# Altium PCB PCB1.PcbDoc (part 1 of 3)
Units mm, origin at the board's own origin, x right, y up, seen from the top; angles counter-clockwise.
Board outline 129.78 x 54 mm, 4 copper layers (Top Layer, Mid-Layer 1, Mid-Layer 2, Bottom Layer), stack 0.202 mm thick; 119 components, 96 nets, 472 pads, 1341 vias.
Unrouted connection lines stored in the file: 18.
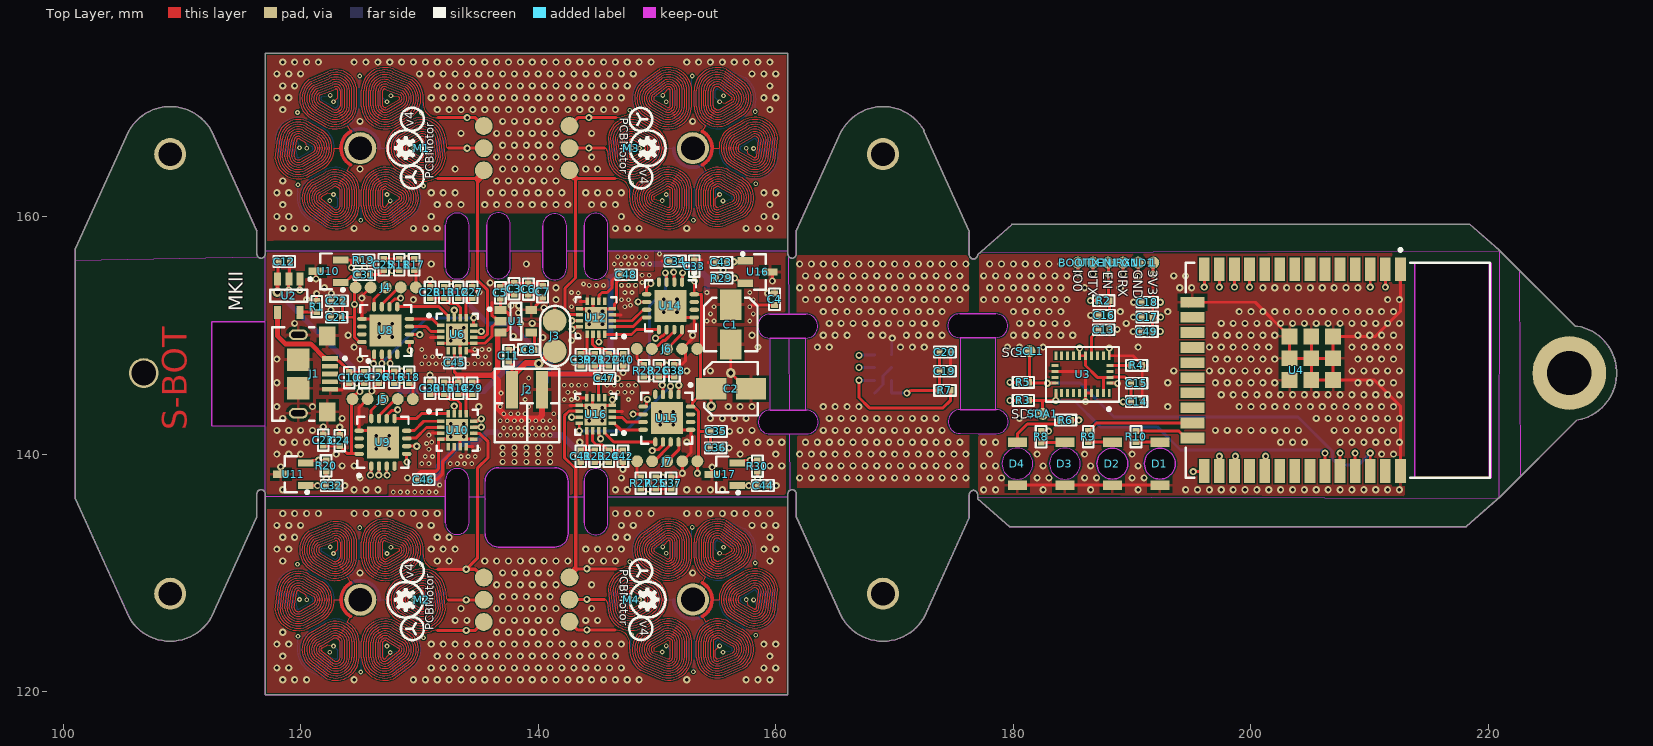
[diagram p0: Top Layer view]
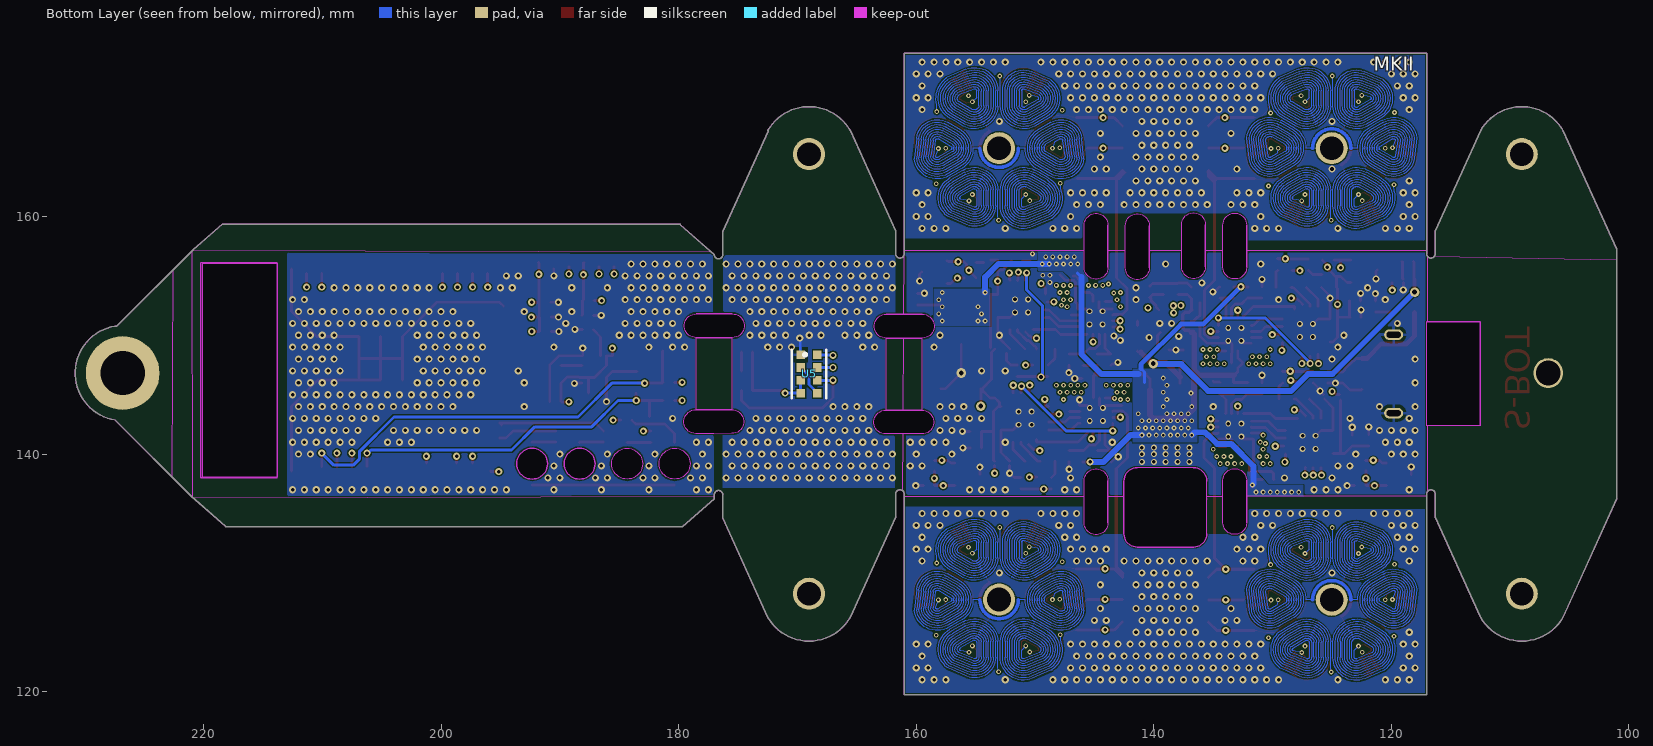
[diagram p1: Bottom Layer view, seen from below]
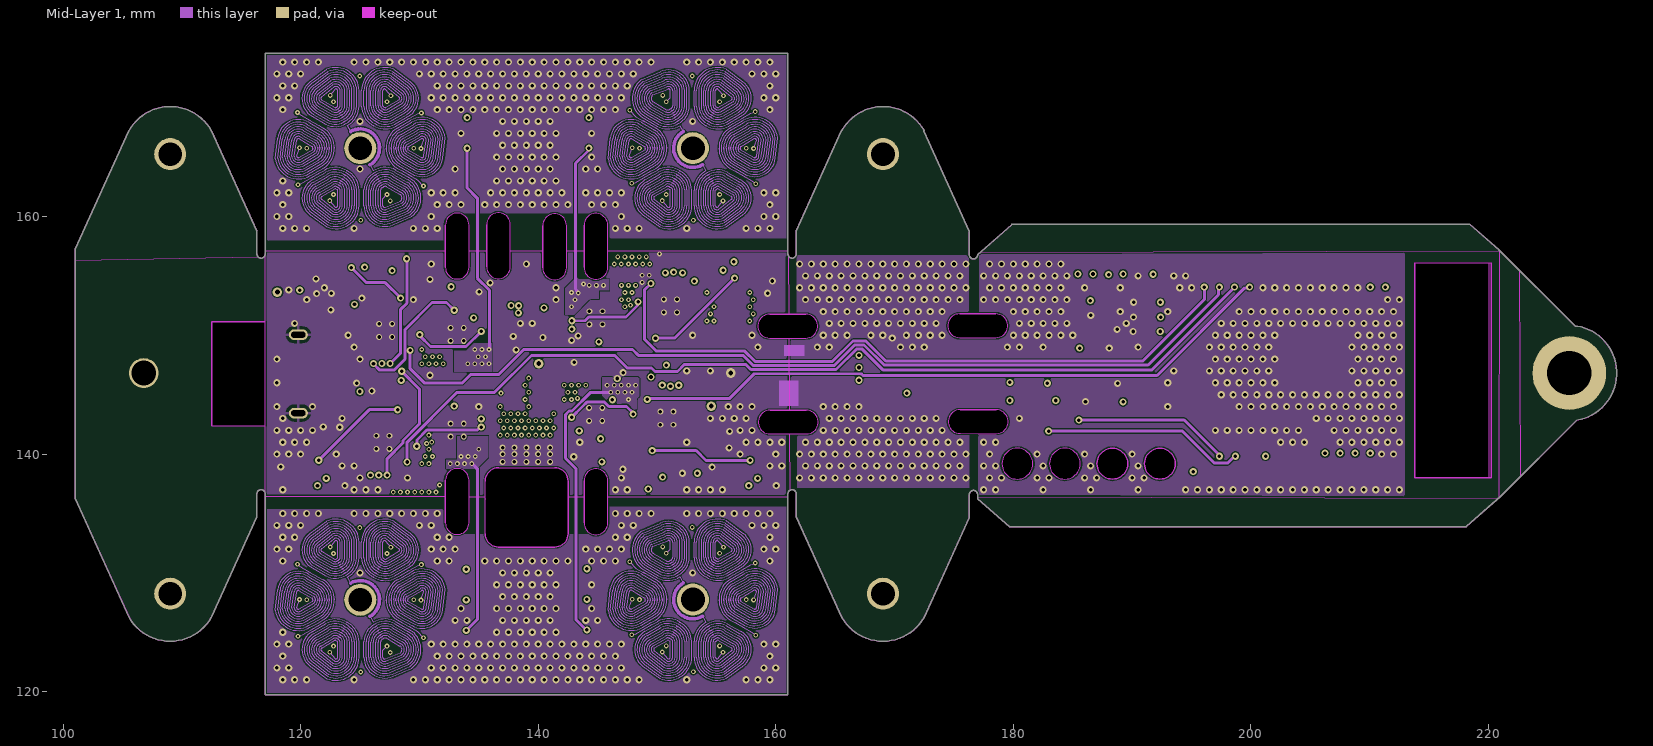
[diagram p2: Mid-Layer 1]
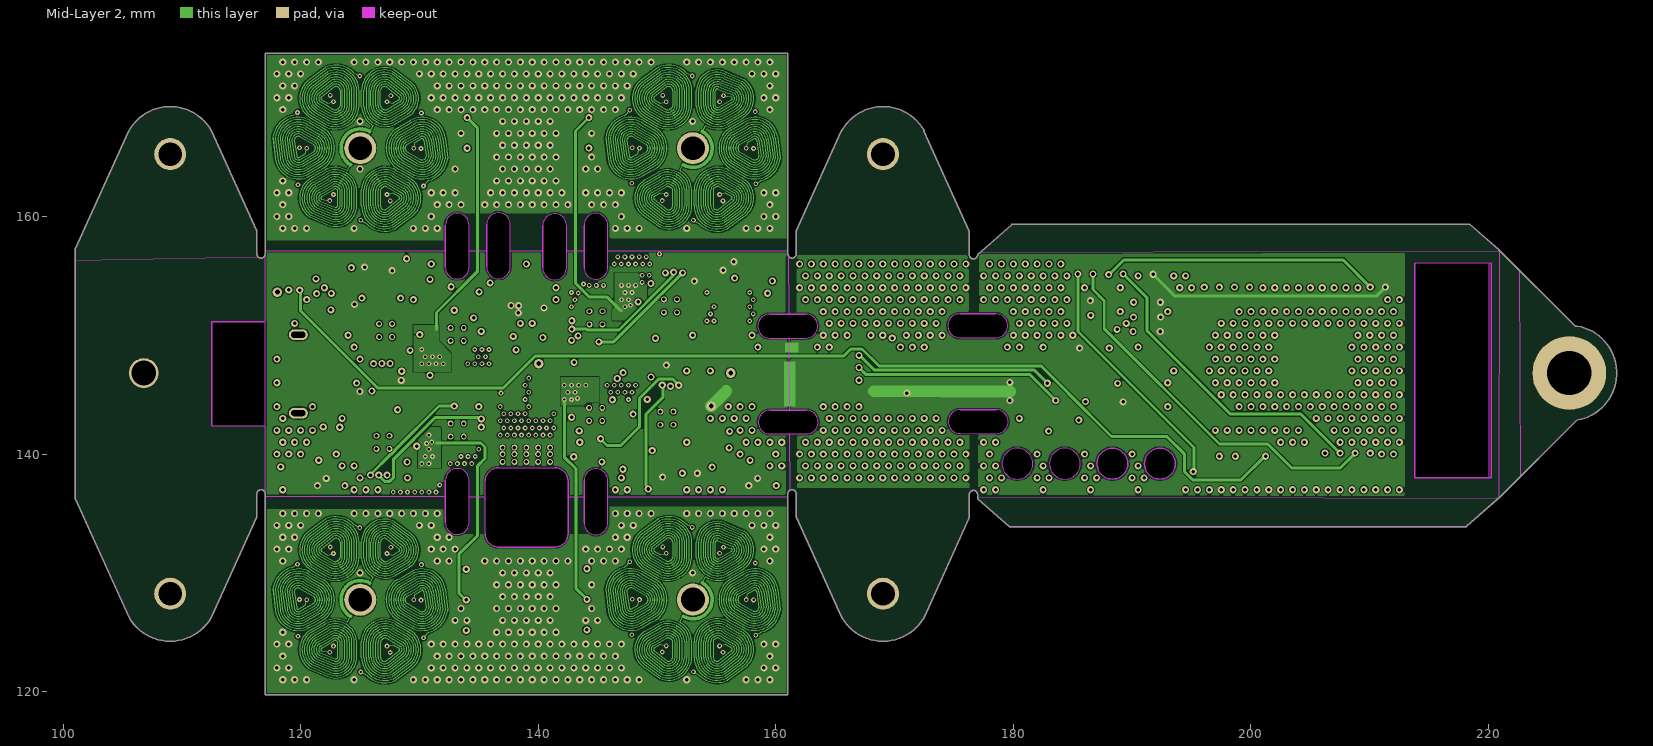
[diagram p3: Mid-Layer 2]

## Layer stack, top to bottom
Top Solder: solder mask 0.0102, Solder Resist, Dk 3.5
Top Layer: signal copper 0.0356
Dielectric 1: dielectric 0.02, FR-4, Dk 4.8
Mid-Layer 1: signal copper 0.0356
Dielectric3: dielectric 0.02, FR-4, Dk 4.8
Mid-Layer 2: signal copper 0.0356
Dielectric2: dielectric 0.02, FR-4, Dk 4.8
Bottom Layer: signal copper 0.0356
Bottom Solder: solder mask 0.0102, Solder Resist, Dk 3.5

## Board outline
105.558,126.249 ccw(c109.023,128.249) 112.487,126.249 112.521,126.312 116.323,134.704 116.323,136.652 cw(c116.673,136.652) 117.023,136.652 117.023,119.749 161.023,119.749 161.023,136.652 cw(c161.373,136.652) 161.723,136.652 161.723,134.706 165.558,126.249 ccw(c169.023,128.249) 172.487,126.249 176.288,134.642 176.288,136.59 cw(c176.638,136.59) 176.988,136.59 176.988,136.249 179.678,133.894 179.657,133.869 218.134,133.869 218.168,133.944 221.023,136.449 227.442,142.869 ccw(c226.798,146.821) 227.445,150.772 227.43,150.772 227.3,150.772 220.865,157.207 218.398,159.367 179.879,159.367 179.845,159.292 176.99,156.787 176.988,156.785 cw(c176.638,156.785) 176.288,156.785 176.288,158.73 172.452,167.187 172.487,167.249 ccw(c169.023,165.249) 165.558,167.249 165.524,167.187 161.723,158.795 161.723,156.847 cw(c161.373,156.847) 161.023,156.847 161.023,173.749 117.023,173.749 117.023,156.847 cw(c116.673,156.847) 116.323,156.847 116.323,158.793 112.487,167.249 ccw(c109.023,165.249) 105.558,167.249 105.524,167.187 101.023,157.249 101.023,136.249
cut-out: 143.859,155.715 ccw(c144.859,155.715) 145.859,155.715 145.861,157.239 145.862,159.263 ccw(c144.862,159.263) 143.862,159.263 143.861,157.239
cut-out: 135.531,133.304 135.531,136.203 cw(c135.658,136.203) 135.533,136.226 135.534,137.727 cw(c136.662,137.727) 136.662,138.854 141.39,138.854 cw(c141.39,137.727) 142.517,137.727 142.515,134.678 cw(c142.388,134.679) 142.514,134.662 142.514,133.304 cw(c141.387,133.304) 141.387,132.176 136.658,132.176 cw(c136.658,133.304)
cut-out: 140.388,155.679 ccw(c141.388,155.679) 142.388,155.679 142.389,157.203 142.39,159.227 ccw(c141.39,159.227) 140.39,159.227 140.389,157.203
cut-out: 135.655,155.772 ccw(c136.655,155.772) 137.655,155.772 137.656,157.296 137.658,159.32 137.657,159.32 ccw(c136.657,159.32) 135.657,159.32 135.658,159.32 135.656,157.296
cut-out: 132.184,155.736 ccw(c133.184,155.736) 134.184,155.736 134.185,157.26 134.186,159.284 ccw(c133.186,159.284) 132.186,159.284 132.185,157.26
cut-out: 143.859,134.215 ccw(c144.859,134.215) 145.859,134.215 145.86,136.239 145.861,137.763 ccw(c144.861,137.763) 143.861,137.763 143.86,136.239
cut-out: 132.184,134.236 ccw(c133.184,134.236) 134.184,134.236 134.185,136.26 134.186,137.784 ccw(c133.186,137.784) 132.186,137.784 132.185,136.26
cut-out: 162.535,151.766 161.011,151.767 159.487,151.768 ccw(c159.487,150.768) 159.487,149.768 161.011,149.767 162.535,149.766 ccw(c162.535,150.766)
cut-out: 162.571,143.694 161.047,143.695 159.523,143.696 ccw(c159.523,142.696) 159.523,141.696 161.047,141.695 162.571,141.694 ccw(c162.571,142.694)
cut-out: 175.474,149.804 176.998,149.803 178.522,149.802 ccw(c178.522,150.802) 178.522,151.802 176.998,151.803 175.474,151.804 ccw(c175.474,150.804)
cut-out: 175.51,141.733 177.034,141.732 178.558,141.731 ccw(c178.558,142.731) 178.558,143.731 177.034,143.732 175.51,143.733 ccw(c175.51,142.733)
cut-out: 192.333,137.892 cw(c192.333,139.192) 191.033,139.192 cw(c192.333,139.192) 192.333,140.492 cw(c192.333,139.192) 193.633,139.192 cw(c192.333,139.192)
cut-out: 185.633,139.192 ccw(c184.333,139.192) 184.333,140.492 ccw(c184.333,139.192) 183.033,139.192 ccw(c184.333,139.192) 184.333,137.892 ccw(c184.333,139.192)
cut-out: 188.333,137.892 cw(c188.333,139.192) 187.033,139.192 cw(c188.333,139.192) 188.333,140.492 cw(c188.333,139.192) 189.633,139.192 cw(c188.333,139.192)
cut-out: 179.033,139.192 ccw(c180.333,139.192) 180.333,137.892 ccw(c180.333,139.192) 181.633,139.192 ccw(c180.333,139.192) 180.333,140.492 ccw(c180.333,139.192)
cut-out: 112.522,142.367 117.023,142.367 117.023,151.132 112.522,151.132
cut-out: 213.772,138.016 213.772,156.116 220.222,156.116 220.222,138.016
board region "Layer Stack Region 1": 220.819,136.271 218.168,133.944 218.134,133.869 179.657,133.869 179.678,133.894 176.988,136.249 176.988,136.42
board region "Layer Stack Region 1": 222.598,155.474 227.3,150.772 227.43,150.772 227.445,150.772 227.724,150.727 228.263,150.558 228.773,150.315 229.245,150.003 229.667,149.628 230.033,149.197 230.335,148.72 230.566,148.204 230.723,147.661 230.802,147.102 230.802,146.537 230.722,145.977 230.565,145.435 230.333,144.919 230.031,144.442 229.665,144.011 229.242,143.637 228.771,143.325 228.26,143.083 227.721,142.914 227.442,142.869 222.688,138.115
board region "Layer Stack Region 1": 220.941,157.131 222.598,155.474 222.688,138.115 221.023,136.449 220.895,136.337
board region "Layer Stack Region 1": 177.223,156.991 179.845,159.292 179.879,159.367 218.398,159.367 220.865,157.207 220.941,157.131
board region "Layer Stack Region 1": 101.023,156.337 101.023,157.249 105.524,167.187 105.558,167.249 105.69,167.476 106.009,167.892 106.38,168.263 106.796,168.582 107.25,168.845 107.734,169.045 108.241,169.181 108.76,169.249 109.285,169.249 109.805,169.181 110.311,169.045 110.796,168.845 111.25,168.582 111.666,168.263 112.036,167.892 112.356,167.476 112.487,167.249 116.323,158.793 116.323,156.847 116.329,156.779 116.382,156.652 116.443,156.591
board region "Layer Stack Region 1": 161.035,156.766 161.082,156.652 161.178,156.556 161.304,156.504 161.441,156.504 161.567,156.556 161.664,156.652 161.716,156.779 161.723,156.847 161.723,158.795 165.524,167.187 165.558,167.249 165.69,167.476 166.009,167.892 166.38,168.263 166.796,168.582 167.25,168.845 167.734,169.045 168.241,169.181 168.76,169.249 169.285,169.249 169.805,169.181 170.311,169.045 170.796,168.845 171.25,168.582 171.666,168.263 172.036,167.892 172.356,167.476 172.487,167.249 172.452,167.187 176.288,158.73 176.288,156.785 176.295,156.716 176.347,156.59 176.443,156.494 176.57,156.441 176.706,156.441 176.832,156.494 176.929,156.59 176.981,156.716 176.988,156.785 177.223,156.991 220.941,157.131 220.895,136.338 220.819,136.271 176.988,136.42 176.988,136.59 176.981,136.658 176.929,136.784 176.832,136.881 176.706,136.933 176.57,136.933 176.443,136.881 176.347,136.784 176.295,136.658 176.288,136.59 176.288,134.642 172.487,126.249 172.356,126.022 172.036,125.606 171.666,125.236 171.25,124.916 170.796,124.654 170.311,124.454 169.805,124.318 169.285,124.249 168.76,124.249 168.241,124.318 167.734,124.454 167.25,124.654 166.796,124.916 166.38,125.236 166.009,125.606 165.69,126.022 165.558,126.249 161.723,134.706 161.723,136.652 161.716,136.72 161.664,136.846 161.567,136.943 161.441,136.995 161.304,136.995 161.191,136.948
board region "Layer Stack Region 1": 117.002,136.754 116.964,136.846 116.867,136.943 116.741,136.995 116.604,136.995 116.478,136.943 116.382,136.846 116.329,136.72 116.323,136.652 116.323,134.704 112.521,126.312 112.487,126.249 112.356,126.022 112.036,125.606 111.666,125.236 111.25,124.916 110.796,124.654 110.311,124.454 109.805,124.318 109.285,124.249 108.76,124.249 108.241,124.318 107.734,124.454 107.25,124.654 106.796,124.916 106.38,125.236 106.009,125.606 105.69,126.022 105.558,126.249 101.023,136.249 101.023,156.337 116.443,156.591 116.478,156.556 116.604,156.504 116.741,156.504 116.867,156.556 116.964,156.652 116.967,156.661
board region "Layer Stack Region 1": 161.023,136.398 161.023,119.749 117.023,119.749 117.023,136.449
board region "Layer Stack Region 1": 161.023,157.099 161.023,156.847 161.029,156.779 161.035,156.766 161.191,136.948 161.178,136.943 161.082,136.846 161.029,136.72 161.023,136.652 161.023,136.398 117.023,136.449 117.023,136.652 117.016,136.72 117.002,136.754 116.967,156.661 117.016,156.779 117.023,156.847 117.023,157.099
board region "Layer Stack Region 1": 117.023,157.099 117.023,173.749 161.023,173.749 161.023,157.099

## Design rules (kind name [scope] priority, off if disabled: settings)
Clearance [All] p1: gap=0.1 ignorepadtopadclearanceinfootprint=FALSE
DiffPairsRouting [All] p1: maxlimit=0.254 minlimit=0.254 mostfreqgap=0.254 toplayer_minwidth=0.381 toplayer_maxwidth=0.381 toplayer_prefwidth=0.381 midlayer1_minwidth=0.381 midlayer1_maxwidth=0.381 midlayer1_prefwidth=0.381 midlayer2_minwidth=0.381 midlayer2_maxwidth=0.381 midlayer2_prefwidth=0.381 bottomlayer_minwidth=0.381 bottomlayer_maxwidth=0.381 bottomlayer_prefwidth=0.381 substack1={F01CB33A-03C5-413C-B074-55E82BEF04D4} toplayer_{f01cb33a-03c5-413c-b074-55e82bef04d4}_minwidth=0.381 toplayer_{f01cb33a-03c5-413c-b074-55e82bef04d4}_maxwidth=0.381 toplayer_{f01cb33a-03c5-413c-b074-55e82bef04d4}_prefwidth=0.381 midlayer1_{f01cb33a-03c5-413c-b074-55e82bef04d4}_minwidth=0.381 midlayer1_{f01cb33a-03c5-413c-b074-55e82bef04d4}_maxwidth=0.381 midlayer1_{f01cb33a-03c5-413c-b074-55e82bef04d4}_prefwidth=0.381 midlayer2_{f01cb33a-03c5-413c-b074-55e82bef04d4}_minwidth=0.381 midlayer2_{f01cb33a-03c5-413c-b074-55e82bef04d4}_maxwidth=0.381 midlayer2_{f01cb33a-03c5-413c-b074-55e82bef04d4}_prefwidth=0.381 bottomlayer_{f01cb33a-03c5-413c-b074-55e82bef04d4}_minwidth=0.381 bottomlayer_{f01cb33a-03c5-413c-b074-55e82bef04d4}_maxwidth=0.381 bottomlayer_{f01cb33a-03c5-413c-b074-55e82bef04d4}_prefwidth=0.381 maxuncoupledlength=12.7
PasteMaskExpansion [All] p1: expansion=-0.1
PolygonConnect [IsVia] p1: connectstyle=Direct reliefconductorwidth=0.254 reliefentries=4 polygonreliefangle="90 Angle" airgapwidth=0.254
PolygonConnect PolygonConnect_1 [All] p2: connectstyle=Relief reliefconductorwidth=0.254 reliefentries=4 polygonreliefangle="90 Angle" airgapwidth=0.254
RoutingVias [All] p1: holewidth=0.711 width=1.27 viastyle="Through Hole" minholewidth=0.2 minwidth=0.4 maxholewidth=0.711 maxwidth=1.27
SolderMaskExpansion [All] p1: expansion=0 istentingtop=FALSE
Width [All] p1: maxlimit=1 minlimit=0.1 preferedwidth=0.25 substack1={F01CB33A-03C5-413C-B074-55E82BEF04D4}
28 further rules are at their usual default settings.

## Classes and differential pairs
component class Sheet2: C21 C22 C23 C24 C25 C26 C27 C28 C29 C30 C31 C32 C33 C34 C35 C36 C37 C38 C39 C40 C41 C42 C43 C44 C45 C46 C47 C48 J4 J5 J6 J7 M1 M2 M3 M4 R11 R12 R13 R14 R15 R16 R17 R18 R19 R20 R21 R22 R23 R24 R25 R26 R27 R28 R29 R30 U6 U8 U9 U10 U11 U12 U14 U15 U16 U17
component class Sheet1: 1 BOOT1 C1 C2 C3 C4 C5 C6 C7 C8 C9 C10 C11 C12 C13 C14 C15 C16 C17 C18 C19 C20 C49 D1 D2 D3 D4 EN1 GND1 J1 J2 J3 R1 R2 R3 R4 R5 R6 R7 R8 R9 R10 SCL1 SDA1 U1 U2 U3 U4 U5 URX1 UTX1

## Components (designator, comment, footprint, x,y, rotation, side; value= is the part's Value field where it differs from the comment)
1 "TESTPAD" TESTPAD 191.781,156.116 r90 top
BOOT1 "TESTPAD" TESTPAD 185.431,156.116 r90 top
C1 "22uF" CAPAE4343X55M 156.21,150.899 r270 top
C2 "22uF" CAPAE4343X55M 156.235,145.501 r0 top
C3 "4.7uF" RESC1005X03N 137.972,153.911 r90 top
C4 "100nF" RESC1005X03N 159.893,153.035 r90 top
C5 "10nF" RESC1005X03N 136.82,153.582 r90 top
C6 "100nF" RESC1005X03N 139.178,153.892 r90 top
C7 "10nF" RESC1005X03N 140.367,153.661 r90 top
C8 "100pF" RESC1005X03N 139.2,148.796 r180 top
C9 "4.7uF" RESC1005X03N 125.359,146.444 r270 top
C10 "100nF" RESC1005X03N 124.089,146.444 r270 top
C11 "100nF" RESC1005X03N 137.505,148.27 r90 top
C12 "4.7uF" RESC1005X03N 118.618,156.21 r0 top
C13 "100nF" RESC1005X03N 187.622,150.467 r180 top
C14 "100nF" RESC1005X03N 190.373,144.415 r0 top
C15 "10nF" RESC1005X03N 190.373,145.965 r0 top
C16 "1uF" RESC1005X03N 187.65,151.675 r180 top
C17 "100nF" RESC1005X03N 191.253,151.537 r180 top
C18 "10nF" RESC1005X03N 191.262,152.781 r180 top
C19 "100nF" RESC1005X03N 174.244,146.978 r0 top
C20 "4.7uF" RESC1005X03N 174.244,148.59 r0 top
C21 "100nF" RESC1005X03N 123.027,151.518 r180 top
C22 "10nF" RESC1005X03N 123.063,152.908 r180 top
C23 "100nF" RESC1005X03N 121.906,141.178 r90 top
C24 "10nF" RESC1005X03N 123.296,141.142 r90 top
C25 "100nF" RESC1005X03N 127,155.948 r270 top
C26 "100nF" RESC1005X03N 126.584,146.469 r270 top
C27 "10nF" RESC1005X03N 134.441,153.61 r90 top
C28 "10nF" RESC1005X03N 130.895,153.61 r90 top
C29 "10nF" RESC1005X03N 134.441,145.544 r90 top
C30 "10nF" RESC1005X03N 130.895,145.544 r90 top
C31 "10nF" RESC1005X03N 125.349,155.106 r0 top
C32 "10nF" RESC1005X03N 122.616,137.353 r0 top
C33 "10nF" RESC1005X03N 153.137,155.829 r90 top
C34 "100nF" RESC1005X03N 151.523,156.244 r180 top
C35 "100nF" RESC1005X03N 154.997,141.908 r0 top
C36 "10nF" RESC1005X03N 154.961,140.518 r0 top
C37 "100nF" RESC1005X03N 151.187,137.563 r90 top
C38 "100nF" RESC1005X03N 151.462,147.02 r90 top
C39 "10nF" RESC1005X03N 143.604,147.944 r270 top
C40 "10nF" RESC1005X03N 147.15,147.944 r270 top
C41 "10nF" RESC1005X03N 143.583,139.816 r270 top
C42 "10nF" RESC1005X03N 147.129,139.816 r270 top
C43 "10nF" RESC1005X03N 155.429,156.136 r180 top
C44 "10nF" RESC1005X03N 158.925,137.343 r0 top
C45 "100nF" RESC1005X03N 132.994,147.678 r0 top
C46 "10nF" RESC1005X03N 130.357,137.85 r180 top
C47 "100nF" RESC1005X03N 145.591,146.364 r0 top
C48 "10nF" RESC1005X03N 147.401,155.101 r0 top
C49 "4.7uF" RESC1005X03N 191.248,150.317 r180 top
D1 "156120VS75000" "1206  RECTANGULAR-REVERSE USE" 192.333,139.192 r90 top
D2 "156120VS75000" "1206  RECTANGULAR-REVERSE USE" 188.333,139.192 r90 top
D3 "156120VS75000" "1206  RECTANGULAR-REVERSE USE" 184.333,139.192 r90 top
D4 "156120VS75000" "1206  RECTANGULAR-REVERSE USE" 180.333,139.192 r90 top
EN1 "TESTPAD" TESTPAD 187.971,156.116 r90 top
GND1 "TESTPAD" TESTPAD 190.511,156.116 r90 top
J1 "10118193-0001LF" FCI-10118193-0001LF-5_V 121.158,146.749 r270 top
J2 "H2P2.54" M20-8890245R 139.682,147.722 r180 top
J3 "H2P2.54" T2P2.54 141.388,149.943 r270 top
J4 "H5P1.27" H5P1.27P 127.162,154.029 r180 top
J5 "H5P1.27" H5P1.27P 126.909,144.635 r180 top
J6 "H5P1.27" H5P1.27P 150.842,148.854 r0 top
J7 "H5P1.27" H5P1.27P 150.862,139.397 r0 top
M1 "PCBMotor_v4" PCBMotor_v4#1 125.023,165.767 r90 top
M2 "PCBMotor_v4" PCBMotor_v4#2 125.023,127.749 r90 top
M3 "PCBMotor_v4" PCBMotor_v4#3 153.023,165.739 r270 top
M4 "PCBMotor_v4" PCBMotor_v4#4 153.023,127.736 r270 top
R1 "5k" RESC1005X03N 121.353,152.423 r270 top
R2 "10k" RESC1005X03N 187.599,152.918 r180 top
R3 "5k" RESC1005X03N 180.85,144.513 r0 top
R4 "0" RESC1005X03N 190.373,147.465 r180 top
R5 "5k" RESC1005X03N 180.85,146.037 r180 top
R6 "150" RESC1005X03N 184.397,142.863 r0 top
R7 "10k" RESC1005X03N 174.244,145.365 r180 top
R8 "150" RESC1005X03N 182.33,141.454 r90 top
R9 "150" RESC1005X03N 186.309,141.478 r90 top
R10 "150" RESC1005X03N 190.323,141.476 r90 top
R11 "10k" RESC1005X03N 128.3,155.948 r270 top
R12 "10k" RESC1005X03N 133.274,153.61 r90 top
R13 "10k" RESC1005X03N 132.088,153.61 r90 top
R14 "10k" RESC1005X03N 133.274,145.544 r90 top
R15 "10k" RESC1005X03N 132.088,145.544 r90 top
R16 "10k" RESC1005X03N 127.884,146.469 r270 top
R17 "150" RESC1005X03N 129.559,155.948 r270 top
R18 "150" RESC1005X03N 129.142,146.469 r270 top
R19 "10k" RESC1005X03N 125.323,156.338 r0 top
R20 "10k" RESC1005X03N 122.141,139.003 r270 top
R21 "10k" RESC1005X03N 144.771,147.944 r270 top
R22 "10k" RESC1005X03N 145.958,147.944 r270 top
R23 "10k" RESC1005X03N 144.75,139.816 r270 top
R24 "10k" RESC1005X03N 145.936,139.816 r270 top
R25 "10k" RESC1005X03N 149.887,137.563 r90 top
R26 "10k" RESC1005X03N 150.162,147.02 r90 top
R27 "150" RESC1005X03N 148.628,137.563 r90 top
R28 "150" RESC1005X03N 148.903,147.02 r90 top
R29 "10k" RESC1005X03N 155.448,154.813 r180 top
R30 "10k" RESC1005X03N 158.45,138.993 r270 top
SCL1 "TESTPAD" TESTPAD 181.361,148.665 r90 top
SDA1 "TESTPAD" TESTPAD 182.481,143.38 r90 top
U1 "'AP2210K-3.3TRG1" SOT95P282X145-5N 138.12,151.181 r0 top
U2 "MCP73831T-2ATI/OT" SOT95P270X145-5N 119.01,153.321 r270 top
U3 "BNO085" FP-BNO085-MFG 185.82,146.715 r270 top
U4 "ESP32-WROOM-32" FP-ESP32-WROOM-32-MFG 207.322,147.066 r270 top
U5 "VCNL4040M3OE" FP-VCNL4040M3OE-MFG 169.023,146.749 r0 bottom
U6 "STSPIN230" QFN50P300X300X100_HS-17N 133.183,150.08 r0 top
U8 "PIC16LF18323-I/JQ" PIC16F18323-I/JQ 127.162,150.405 r90 top
U9 "PIC16LF18323-I/JQ" PIC16F18323-I/JQ 126.928,140.991 r90 top
U10 "STSPIN230" QFN50P300X300X100_HS-17N 133.183,142.014 r0 top
U10 "DRV5015A3QDBZR" SOT95P237X95-3N 122.346,155.388 r180 top
U11 "DRV5015A3QDBZR" SOT95P237X95-3N 119.38,138.303 r180 top
U12 "STSPIN230" QFN50P300X300X100_HS-17N 144.862,151.474 r180 top
U14 "PIC16LF18323-I/JQ" PIC16F18323-I/JQ 151.137,152.478 r270 top
U15 "PIC16LF18323-I/JQ" PIC16F18323-I/JQ 150.83,143.021 r270 top
U16 "STSPIN230" QFN50P300X300X100_HS-17N 144.841,143.346 r180 top
U16 "DRV5015A3QDBZR" SOT95P237X95-3N 158.463,155.328 r0 top
U17 "DRV5015A3QDBZR" SOT95P237X95-3N 155.689,138.293 r180 top
URX1 "TESTPAD" TESTPAD 189.241,156.116 r90 top
UTX1 "TESTPAD" TESTPAD 186.701,156.116 r90 top

## Footprints (in the part's own frame and the unit in brackets; to place one, negate y for a bottom-side part, rotate by r counter-clockwise, add the part's x,y. Pads: shape width x height; smd on the part's side, far side on the other; paste and mask are expansions set on the pad)
"1206  RECTANGULAR-REVERSE USE" [mm] "Chip LED, 2-Leads, Body 3.2x1.6mm, IPC Medium Density"
  rect 0.8x1.6 smd: 1(-1.8,0) 2(1.8,0)
  body extent -1.6,-0.8 1.6,0.8, height 0.38
CAPAE4343X55M [mm] "Aluminum Electrolytic Capacitor, Body 4.30x4.30x5.50mm, IPC Low Density"
  rect 2.55x1.8 smd: 1(-1.675,0) 2(1.675,0)
  silkscreen extent -2.25,-2.25 2.25,2.25, body extent -2.25,-2.25 2.25,2.25, height 5.5
FCI-10118193-0001LF-5_V [mm] "Micro, USB-B, 5-Leads, Body 7.86x5.05mm, Pitch 0.65 mm"
  rect 0.4x1.35 smd: 1(-1.3,1.325) 2(-0.65,1.325) 3(0,1.325) 4(0.65,1.325) 5(1.3,1.325)
  rect 1.6x1.4 smd: 6(-3.2,1.1) 7(3.2,1.1)
  rect 1.9x1.9 smd: 8(-1.2,-1.35) 9(1.2,-1.35)
  oval 0.9x1.6 hole 0.5 slot 1.2 at 90 deg: 10(-3.3,-1.35) 11(3.3,-1.35)
  silkscreen extent -3.93,-3.55 3.93,2.7, body extent -3.93,-4.16 3.93,1.5, height 2.83
FP-BNO085-MFG [mm]
  rect 0.675x0.25 smd paste+0 mask+0: 1(1.562,2.25) 6(-1.562,2.25) 7(-1.562,1.75) 8(-1.562,1.25) 9(-1.562,0.75) 10(-1.562,0.25) 11(-1.562,-0.25) 12(-1.562,-0.75) 13(-1.562,-1.25) 14(-1.562,-1.75) 15(-1.562,-2.25) 20(1.562,-2.25) 21(1.562,-1.75) 22(1.562,-1.25) 23(1.562,-0.75) 24(1.562,-0.25) 25(1.562,0.25) 26(1.562,0.75) 27(1.562,1.25) 28(1.562,1.75)
  rect 0.25x0.575 smd paste+0 mask+0: 2(0.75,2.312) 3(0.25,2.312) 4(-0.25,2.312) 5(-0.75,2.312) 16(-0.75,-2.312) 17(-0.25,-2.312) 18(0.25,-2.312) 19(0.75,-2.312)
  silkscreen extent -2.3,-3.08 3.05,3.08, body extent -2.45,-3.15 2.45,3.15, height 0.25
FP-ESP32-WROOM-32-MFG [mm]
  rect 2x0.9 smd paste+0 mask+0: 1(-8.5,5.26) 2(-8.5,3.99) 3(-8.5,2.72) 4(-8.5,1.45) 5(-8.5,0.18) 6(-8.5,-1.09) 7(-8.5,-2.36) 8(-8.5,-3.63) 9(-8.5,-4.9) 10(-8.5,-6.17) 11(-8.5,-7.44) 12(-8.5,-8.71) 13(-8.5,-9.98) 14(-8.5,-11.25) 25(8.5,-11.25) 26(8.5,-9.98) 27(8.5,-8.71) 28(8.5,-7.44) 29(8.5,-6.17) 30(8.5,-4.9) 31(8.5,-3.63) 32(8.5,-2.36) 33(8.5,-1.09) 34(8.5,0.18) 35(8.5,1.45) 36(8.5,2.72) 37(8.5,3.99) 38(8.5,5.26)
  rect 0.9x2 smd paste+0 mask+0: 15(-5.715,-12.25) 16(-4.445,-12.25) 17(-3.175,-12.25) 18(-1.905,-12.25) 19(-0.635,-12.25) 20(0.635,-12.25) 21(1.905,-12.25) 22(3.175,-12.25) 23(4.445,-12.25) 24(5.715,-12.25)
  rect 1.33x1.33 smd paste+0 mask+0: 39(-2.835,-0.405) 39(-2.835,-2.24) 39(-2.835,-4.075) 39(-1,-0.405) 39(-1,-2.24) 39(-1,-4.075) 39(0.835,-0.405) 39(0.835,-2.24) 39(0.835,-4.075)
  Keep-Out Layer region: -9,6.45 9,6.45 9,12.75 -9,12.75
  Keep-Out Layer region: -9,6.45 9,6.45 9,12.75 -9,12.75
  silkscreen extent -10.25,-12.8 9.05,12.8, body extent -9.6,-13.35 9.6,12.9, height 0.25
FP-VCNL4040M3OE-MFG [mm]
  rect 0.7x0.725 smd paste+0 mask+0: 1(0.7,-1.612) 2(0.7,-0.537) 3(0.7,0.538) 4(0.7,1.613) 5(-0.7,1.613) 6(-0.7,0.537) 7(-0.7,-0.537) 8(-0.7,-1.613)
  silkscreen extent -1.45,-2.05 1.45,2.05, body extent -1,-2 1,2, height 1.15
H5P1.27P [mm]
  round 1 smd: 1(-2.54,0) 2(-1.27,0) 3(0,0) 4(1.27,0) 5(2.54,0)
M20-8890245R [mm]
  rect 1.02x3.17 smd: 1(-0.653,2.307) 2(1.887,2.307)
  silkscreen extent -2.08,0.54 3.35,6.72, body extent -1.92,0.84 3.16,12.34, height 2.5
PCBMotor_v4#1 [mm]
  round 1.5 smd: 1(-1.884,-10.39) 2(-0.014,-10.39) 3(1.856,-10.39)
  round 2.7 hole 2: ""(-0.014,0)
  Top Layer drawing of 1443 lines, arcs and shapes, not listed
  Mid-Layer 1 drawing of 1461 lines, arcs and shapes, not listed
  Mid-Layer 2 drawing of 1453 lines, arcs and shapes, not listed
  Bottom Layer drawing of 1407 lines, arcs and shapes, not listed
  silkscreen extent -3.41,-5.36 3.38,-2.3
PCBMotor_v4#2 [mm]
  round 1.5 smd: 1(-1.884,-10.39) 2(-0.014,-10.39) 3(1.856,-10.39)
  round 2.7 hole 2: ""(-0.014,0)
  Top Layer drawing of 890 lines, arcs and shapes, not listed
  Mid-Layer 1 drawing of 900 lines, arcs and shapes, not listed
  Mid-Layer 2 drawing of 862 lines, arcs and shapes, not listed
  Bottom Layer drawing of 887 lines, arcs and shapes, not listed
  silkscreen extent -3.41,-5.36 3.38,-2.3
PCBMotor_v4#3 [mm]
  round 1.5 smd: 1(-1.884,-10.39) 2(-0.014,-10.39) 3(1.856,-10.39)
  round 2.7 hole 2: ""(-0.014,0)
  Top Layer drawing of 1332 lines, arcs and shapes, not listed
  Mid-Layer 1 drawing of 1349 lines, arcs and shapes, not listed
  Mid-Layer 2 drawing of 1335 lines, arcs and shapes, not listed
  Bottom Layer drawing of 1303 lines, arcs and shapes, not listed
  silkscreen extent -3.41,-5.36 3.38,-2.3
PCBMotor_v4#4 [mm]
  round 1.5 smd: 1(-1.884,-10.39) 2(-0.014,-10.39) 3(1.856,-10.39)
  round 2.7 hole 2: ""(-0.014,0)
  Top Layer drawing of 775 lines, arcs and shapes, not listed
  Mid-Layer 1 drawing of 783 lines, arcs and shapes, not listed
  Mid-Layer 2 drawing of 743 lines, arcs and shapes, not listed
  Bottom Layer drawing of 781 lines, arcs and shapes, not listed
  silkscreen extent -3.41,-5.36 3.38,-2.3
PIC16F18323-I/JQ [mm] "QFN, 16-Leads, Body 4.00x4.00mm, Pitch 0.65mm, Thermal Pad 2.70x2.70mm, IPC Medium Density"
  oval 0.8x0.35 smd: 1(-2,0.975) 2(-2,0.325) 3(-2,-0.325) 4(-2,-0.975) 9(2,-0.975) 10(2,-0.325) 11(2,0.325) 12(2,0.975)
  oval 0.35x0.8 smd: 5(-0.975,-2) 6(-0.325,-2) 7(0.325,-2) 8(0.975,-2) 13(0.975,2) 14(0.325,2) 15(-0.325,2) 16(-0.975,2)
  rect 2.7x2.7 smd: 17(0,0)
  silkscreen extent -2.69,-2.15 2.15,2.15, body extent -2,-2 2,2, height 0.55
QFN50P300X300X100_HS-17N [mm] "QFN, 16-Leads, Body 3.00x3.00mm, Pitch 0.50mm, Thermal Pad 1.85x1.85mm, IPC Medium Density"
  rect 0.63x0.3 smd: 1(-1.385,0.75) 2(-1.385,0.25) 3(-1.385,-0.25) 4(-1.385,-0.75) 9(1.385,-0.75) 10(1.385,-0.25) 11(1.385,0.25) 12(1.385,0.75)
  rect 0.3x0.63 smd: 5(-0.75,-1.385) 6(-0.25,-1.385) 7(0.25,-1.385) 8(0.75,-1.385) 13(0.75,1.385) 14(0.25,1.385) 15(-0.25,1.385) 16(-0.75,1.385)
  rect 1.85x1.85 smd: 17(0,0)
  silkscreen extent -2.5,-1.72 1.72,1.73, body extent -1.58,-1.57 1.57,1.58, height 1
RESC1005X03N [mm] "Chip Resistor, 2-Leads, Body 1.00x0.50mm, IPC Medium Density"
  rect 0.5x0.55 smd: 1(-0.475,0) 2(0.475,0)
  silkscreen extent -0.9,-0.45 0.9,0.45, body extent -0.5,-0.25 0.5,0.25, height 0.3
SOT95P237X95-3N [mm] "SOT23, 3-Leads, Body 2.92x2.37mm, Pitch 0.95mm, IPC Medium Density"
  rect 1.3x0.6 smd: 1(-1.05,0.95) 2(-1.05,-0.95) 3(1.05,0)
  silkscreen extent -1.34,-1.5 0.7,1.68, body extent -0.7,-1.52 0.7,1.52, height 0.95
SOT95P270X145-5N [mm] "SOT23, 5-Leads, Body 2.90x2.70mm, Pitch 0.95mm, IPC Medium Density"
  rect 1.1x0.6 smd: 1(-1.4,0.95) 2(-1.4,0) 3(-1.4,-0.95) 4(1.4,-0.95) 5(1.4,0.95)
  silkscreen extent -1.52,-1.55 0.5,1.93, body extent -0.9,-1.55 0.9,1.55, height 1.45
SOT95P282X145-5N [mm] "SOT23, 5-Leads, Body 2.96x2.83mm, Pitch 0.95mm, IPC Medium Density"
  rect 1x0.7 smd: 1(-1.3,0.95) 2(-1.3,0) 3(-1.3,-0.95) 4(1.3,-0.95) 5(1.3,0.95)
  silkscreen extent -2.33,-1.55 0.45,1.55, body extent -0.85,-1.55 0.85,1.55, height 1.45
T2P2.54 [mm]
  round 2 smd: 1(-1.27,0) 2(1.27,0)
  silkscreen extent -2.54,-1.23 2.54,1.31
TESTPAD [mm]
  round 1 smd paste-5: 1(0,0)

## Part data
C1 C2: library part CAP*
C3 C4 C5 C6 C7 C8 C9 C10 C11 C12 C13 C14 C15 C16 C17 C18 C19 C20 C21 C22 C23 C24 C25 C26 C27 C28 C29 C30 C31 C32 C33 C34 C35 C36 C37 C38 C39 C40 C41 C42 C43 C44 C45 C46 C47 C48 C49: library part CAP
D1 D2 D3 D4: library part CMP-1428-00009-1, "SMD mono-color reverse mount waterclear Chip LED, WL-SMRW, Bright Green", Color="Bright Green", Manufacturer="Wuerth Elektronik", ComponentLink1Description="Manufacturer URL", ComponentLink1URL=http://www.we-online.com, ComponentLink2Description=Datasheet, ComponentLink2URL=http://katalog.we-online.com/led/datasheet/156120VS75000.pdf, Lens Type=Rectangular, PackageReference="1206  RECTANGULAR-REVERSE USE", PartNumber=156120VS75000
J1: library part CMP-2000-05119-1, "Micro USB B Type Receptacle, -55 to 85 degC, 5-Pin SMD, RoHS, Tape and Reel", Color=Black, Current Rating=1.8A, Flammability Rating=UL94V-0, Insulation Resistance=1000MOhms, Manufacturer=FCI, Operating Temperature Range=-55Cto+85C, Brand=FCI, Connector Type=MicroUSBTypeBreceptacle, Contact Material=CopperAlloy, Contact Plating=Gold, Datasheet URL=http://datasheet.octopart.com/10118193-0001LF-FCI-datasheet-55953155.pdf, Datasheet Version="Rev. C, 05/2015", Factory Pack Quantity=1200, Gender=Female, Manufacturer URL=http://www.fci.com/, Mounting Angle=Right, Number of Contacts=5Contact, Packaging=Reel, Product=MicroUSBTypeBConnectors, Product Category=USBConnectors, RoHS=Details, Standard=USB2.0, Termination Style=SMD/SMT
R1 R2 R3 R4 R5 R6 R7 R8 R9 R10 R11 R12 R13 R14 R15 R16 R17 R18 R19 R20 R21 R22 R23 R24 R25 R26 R27 R28 R29 R30: library part RES
U1: library part AP2210K-3.0TRG1
U3: library part CMP-197298-000001-1, "IMU ACCEL/GYRO/MAG I2C 32BIT", Manufacturer="Hillcrest Laboratories, Inc.", Max Supply Voltage=3.6V, Min Supply Voltage=1.7V, Temperature="-40°C to +85°C", Temperature Range High=+85°C, Temperature Range Low=-40°C, Accel Range=8g, Automotive=No, Category=IC, ComponentLink2Description=Datasheet, ComponentLink2URL=https://www.hillcrestlabs.com/download/5a747b8d566d073a5d000536, Device Class L1=Sensors, Device Class L2="Motion Sensors", Device Class L3="Inertial Measurement Units (IMUs)", Digikey Description="IMU ACCEL/GYRO/MAG I2C 32BIT", Height=1.18mm, Lead Free=Yes, Manufacturer Part Number=BNO085, Octopart=https://octopart.com/bno085-hillcrest+laboratories-92813482, Package=BNO085, RoHS=TRUE, Sensor Output=I2C,SPI,UART, Sensor Type=Accelerometer,Gyroscope,Magnetometer
U4: library part CMP-194065-000008-1, "RX TXRX MOD WIFI SURFACE MOUNT", Case/Package=SMD/SMT, Frequency=2.5GHz, Max Operating Temperature=85°C, Min Operating Temperature=-40°C, Operating Supply Voltage=3.6V, Package Quantity=550, Data Rate=150Mbps, Mount="Surface Mount", Packaging="Cut Tape", Sensitivity=-98dBm, Weight=0.088185oz
U5: library part CMP-02530-000002-1, "SENSOR OPT 550NM AMBIENT 8SMD", Ambient Temperature Range High=+85°C, Ambient Temperature Range Low=-40°C, Manufacturer=Vishay, Max Supply Voltage=3.6V, Min Supply Voltage=2.5V, Operating Supply Current=0.2-300uA, Package=0, Temperature="-40°C to +85°C", Automotive=No, Category=IC, ComponentLink2Description=Datasheet, ComponentLink2URL=https://www.vishay.com/docs/84274/vcnl4040.pdf, Device Class L1=Sensors, Device Class L2="Optical Sensors", Device Class L3=unset, Digikey Description="SENSOR OPT 550NM AMBIENT 8SMD", Height=1.15mm, Lead Free=Yes, Manufacturer Part Number=VCNL4040M3OE, Octopart=https://octopart.com/vcnl4040m3oe-vishay-56243155, RoHS=TRUE, Sensor Output=I2C, Temperature Range High=+85°C, Temperature Range Low=-40°C
U8 U9 U14 U15: library part PIC16F18323-I/JQ

## Free pads (board coordinates)
  round 2.5 hole 2.1: ""(106.796,146.821)
  round 2.7 hole 2: ""(109.023,165.249) ""(109.023,128.249) ""(169.023,128.249) ""(169.023,165.249)
  round 6.2 hole 3.73: ""(226.798,146.821)

## Via types
v1: diameter 0.6, hole 0.3, Top Layer to Bottom Layer, tented both sides, 1080 vias
v2: diameter 0.4, hole 0.2, Top Layer to Bottom Layer, tented both sides, 210 vias
v3: diameter 0.5, hole 0.3, Top Layer to Bottom Layer, 32 vias
v4: diameter 0.5, hole 0.3, Top Layer to Bottom Layer, tented both sides, 15 vias
v5: diameter 0.8, hole 0.4, Top Layer to Bottom Layer, tented both sides, 4 vias

## Nets (pads, with @x,y where several pads share a name; then routed paths per layer and width w, separated by ;. In a path a pad name is that pad's centre, name@x,y a point inside that pad or via, vN(x,y) a via of type N, cw(c..) or ccw(c..) an arc to the next point about the centre after c; other vN are vias at no path point)
+3.3V: 1.1 C2.1 C6.1 C7.1 C14.1 C15.1 C17.1 C18.1 C19.1 C20.1 C21.1 C22.1 C23.1 C24.1 C31.1 C32.1 C33.1 C34.1 C35.1 C36.1 C43.1 C44.1 C49.1 J4.5 J5.5 J6.5 J7.5 R2.2 R3.1 R5.2 R7.2 R11.2 R16.2 R19.2 R20.2 R25.2 R26.2 R29.2 R30.2 U1.5 U3.3 U3.10 U3.11 U3.28 U4.2 U5.3 U5.4 U8.16 U9.16 U10.1@123.396,154.438 U11.1 U14.16 U15.16 U16.1@157.413,156.278 U17.1 | length 125.6
  Top Layer w0.25: U11.1@120.43,137.353 v1(121.42,137.353) C32.1@122.141,137.353 R20.2@122.141,138.528 ; C23.1@121.906,140.703 121.924,140.685 123.278,140.685 C24.1@123.296,140.667 123.321,140.667 123.952,140.036 124.334,140.036 ; v1(122.157,137.959) R20.2@122.157,138.599 ; U10.1@123.396,154.438 123.746,154.438 124.265,154.956 C31.1@124.749,154.956 ; C22.1@123.538,152.908 123.52,152.89 123.52,151.536 C21.1@123.502,151.518 124.499,151.518 124.537,151.48 ; J5.5@124.284,144.55 124.284,140.086 124.334,140.036 ; J5.5@124.369,144.999 124.624,144.999 124.892,145.267 v1(124.986,145.267) ; U9.16@124.909,140.036 124.334,140.036 ; U8.16@125.162,149.43 124.937,149.43 124.537,149.83 124.537,151.48 ; v1(125.393,155.738) 125.393,155.65 124.874,155.131 C31.1@124.874,155.106 124.874,155.081 C31.1@124.749,154.956 ; v1@125.418,155.689 125.46,155.731 125.46,155.975 125.798,156.313 R19.2@125.798,156.338 ; v1(127.708,155.445) R11.2@128.348,155.445 ; R16.2@127.932,145.965 127.932,146.017 128.034,146.119 128.282,146.119 128.373,146.209 v1(128.467,146.209) ; C6.1@139.178,153.417 140.11,153.417 C7.1@140.342,153.186 ; U1.5@139.57,152.131 139.795,152.356 139.795,152.477 140.217,152.898 140.217,153.061 C7.1@140.342,153.186 ; C7.1@140.367,153.186 C7.1@140.342,153.186 ; R25.2@149.838,138.066 v1(150.478,138.066) ; R26.2@150.177,147.485 150.182,147.49 150.782,147.49 v1(150.787,147.485) ; C34.1@152.016,156.262 C34.1@151.998,156.244 151.998,156.219 152.737,155.479 153.012,155.479 C33.1@153.137,155.354 U14.16@153.137,153.453 153.712,153.453 153.762,153.403 J6.5@153.762,148.939 ; U15.16@152.862,143.996 U15.16@152.959,143.996 ; J6.5@153.382,148.854 153.677,148.559 153.677,146.276 154.452,145.501 C2.1@154.56,145.501 ; v1(153.402,138.392) J7.5@153.402,139.032 ; J7.5@153.402,139.397 153.487,139.482 153.487,141.946 ; C36.1@154.486,140.518 154.504,140.536 154.504,141.89 C35.1@154.522,141.908 153.525,141.908 153.487,141.946 ; v5(154.56,144.042) C2.1@154.56,145.501 ; R29.2@154.973,154.813 154.973,154.838 155.779,155.644 155.779,156.011 C43.1@155.904,156.136 155.976,156.207 157.341,156.207 U16.1@157.413,156.278 ; U17.1@156.739,137.343 v1(157.729,137.343) C44.1@158.45,137.343 R30.2@158.45,138.518 ; v1(158.466,137.949) R30.2@158.466,138.589 ; v1(171.04,145.137) 171.135,145.137 171.363,145.365 R7.2@173.769,145.365 C19.1@173.769,146.978 C20.1@173.769,148.59 ; v1(179.71,144.513) R3.1@180.35,144.513 ; v1(179.71,146.037) R5.2@180.35,146.037 ; v1(185.57,148.918) U3.11@185.57,148.278 U3.10@186.07,148.278 186.07,147.465 187.07,146.465 187.602,146.465 ; v1(186.484,152.918) R2.2@187.124,152.918 ; U3.28@187.57,145.153 187.57,146.434 187.602,146.465 ; v1(189.233,144.39) C14.1@189.873,144.39 ; C14.1@189.898,144.415 C15.1@189.898,145.965 189.898,145.99 189.773,146.115 189.748,146.115 189.382,146.481 188.385,146.481 188.369,146.465 187.602,146.465 ; C17.1@191.753,151.537 v1(192.393,151.537) ; 1.1@191.759,155.779 v1(191.759,155.139) ; 1.1@191.781,156.116 191.759,156.094 v1(191.759,155.139) ; v1(192.363,150.317) C49.1@191.723,150.317 191.725,150.319 191.725,151.534 C17.1@191.728,151.537 191.732,151.541 C18.1@191.732,152.776 ; v1(192.372,152.776) C18.1@191.732,152.776 ; v1(211.312,154.054) U4.2@211.312,155.194 ; 124.537,151.48 v1(124.537,152.603) 124.537,153.944 J4.5@124.622,154.029 124.622,154.829 C31.1@124.749,154.956 ; U15.16@152.959,143.996 153.087,143.996 153.487,143.596 153.487,141.946 ; U15.16@152.959,143.996 153.005,144.042 153.005,144.355 153.376,144.726 153.785,144.726 C2.1@154.56,145.501 ; C18.1@191.732,152.776 C18.1@191.737,152.781 191.759,152.803 v1(191.759,155.139)
  Mid-Layer 2 w0.25: 173.99,145.288 174.003,145.275 ; v1(179.71,144.513) 179.71,145.275 v1(179.71,146.037) ; v1(191.759,155.139) 193.609,153.289 210.547,153.289 v1(211.312,154.054)
  Mid-Layer 2 w1: v5(154.56,144.042) 155.826,145.308 ; 168.277,145.295 173.983,145.295 ; 174.003,145.275 179.71,145.275
  Bottom Layer w0.25: U5.3@169.723,146.212 U5.4@169.723,145.137 v1(171.04,145.137)
  other v1: 138.328,151.884 140.489,152.312 137.719,152.508 138.355,152.492 153.148,154.555 155.571,155.473 156.472,156.195